# Altium PCB CH565W-R0.PcbDoc (part 3 of 5)
Units mil, origin at the board's own origin, x right, y up, seen from the top; angles counter-clockwise.
Board outline 3947.04 x 3947.04 mil, 4 copper layers (Top Layer, Layer 1, Layer 2, Bottom Layer), stack 23.756 mil thick; 204 components, 168 nets, 932 pads, 1005 vias.
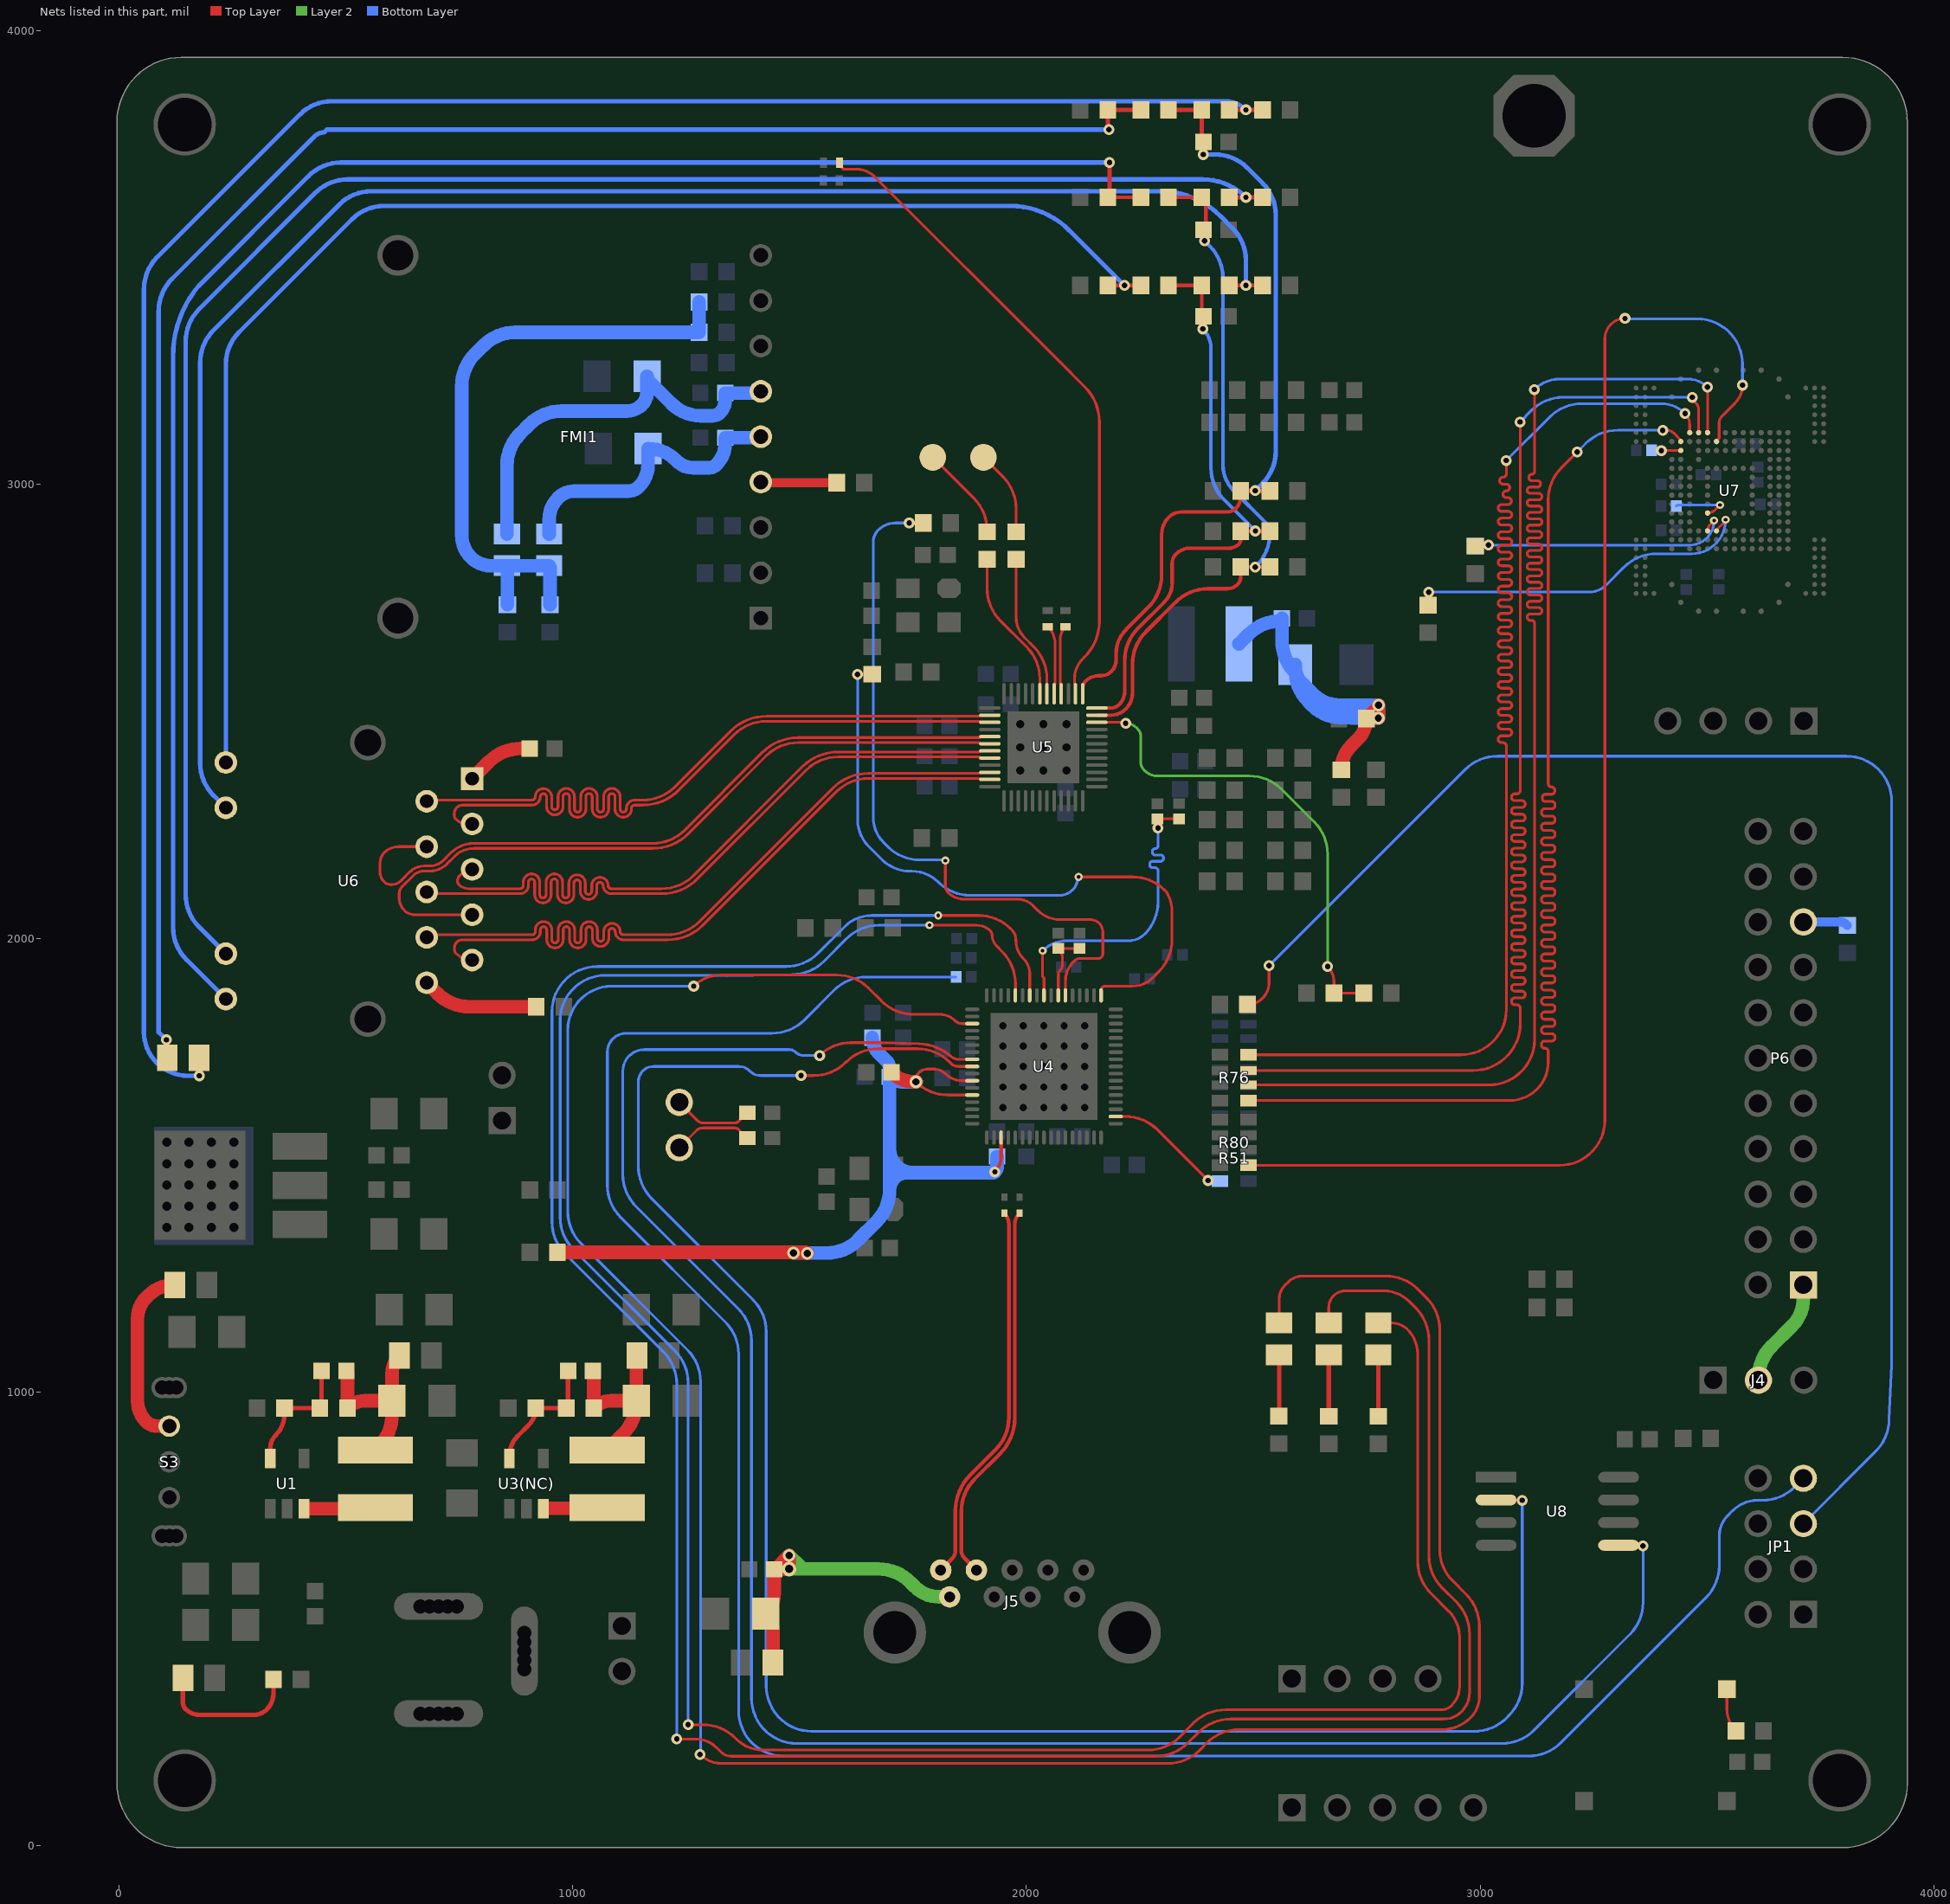
[diagram p5: the nets of this part, all layers, seen from the top]

## Via types
v1: diameter 17.72, hole 7.87, Top Layer to Bottom Layer, 556 vias
v2: diameter 24, hole 12, Top Layer to Bottom Layer, 366 vias
v3: diameter 28, hole 16, Top Layer to Bottom Layer, 63 vias
v4: diameter 17.72, hole 7.87, Top Layer to Bottom Layer, tented both sides, 8 vias
v5: diameter 24, hole 12, Top Layer to Bottom Layer, tented both sides, 5 vias
v6: diameter 26, hole 14, Top Layer to Bottom Layer, 2 vias
v7: diameter 19.68, hole 10, Top Layer to Bottom Layer, 1 vias
v8: diameter 20, hole 10, Top Layer to Bottom Layer, 1 vias
v9: diameter 28, hole 16, Top Layer to Bottom Layer, tented both sides, 1 vias
v10: diameter 32, hole 18, Top Layer to Bottom Layer, 1 vias
v11: diameter 17.72, hole 12, Top Layer to Bottom Layer, 1 vias

## Nets (pads, with @x,y where several pads share a name; then routed paths per layer and width w, separated by ;. In a path a pad name is that pad's centre, name@x,y a point inside that pad or via, vN(x,y) a via of type N, cw(c..) or ccw(c..) an arc to the next point about the centre after c; other vN are vias at no path point) (continued)
HSI_p: C30.1 U5.38 | length 1446.3
  Top Layer w6.07: C30.1@1587.84,3709.36 1590.71,3706.49 cw(c1585.97,3701.74) 1592.68,3701.74 1592.68,3701.48 ccw(c1598.75,3701.48) 1594.45,3697.19 ccw(c1598.75,3701.48) 1598.75,3695.41 1625.45,3695.41 cw(c1625.45,3639.8) 1664.77,3679.12 2071.93,3271.96 2128.33,3215.56 cw(c2049.98,3137.2) 2160.79,3137.2 2160.79,2698.77 cw(c2049.79,2698.77) 2128.28,2620.28 2124.36,2616.35 ccw(c2169.24,2571.47) 2105.76,2571.47 2105.76,2563.07 ccw(c2109.76,2563.07) 2106.93,2560.25 cw(c2104.11,2557.42) 2108.1,2557.42 U5.38@2108.1,2538.9
HSO_CK_n: R15.2 U5.43 | length 335.7
  Top Layer w6: R15.2@1913.28,2835.12 1913.28,2770.68 ccw(c2013.28,2770.68) 1942.57,2699.97 2000.07,2642.47 cw(c1929.36,2571.76) 2029.36,2571.76 U5.43@2029.36,2538.9
HSO_CK_p: R16.2 U5.42 | length 317.3
  Top Layer w6: R16.2@1977.14,2835.12 1977.14,2708.23 ccw(c2042.31,2708.23) 1996.19,2662.19 ; 1996.23,2662.15 2015.82,2642.56 cw(c1945.11,2571.85) 2045.11,2571.85 U5.42@2045.11,2538.9
HSO_n: C29.1 U5.41 | length 152.7
  Top Layer w6.07: C29.1@2047.23,2686.71 cw(c2008.67,2648.15) 2063.2,2648.15 2063.2,2563.07 cw(c2059.2,2563.07) 2062.03,2560.25 ccw(c2064.85,2557.42) 2060.86,2557.42 U5.41@2060.86,2538.9
HSO_p: C28.1 U5.40 | length 151.6
  Top Layer w6.07: U5.40@2076.61,2538.9 2076.61,2557.42 ccw(c2072.61,2557.42) 2075.44,2560.25 cw(c2078.26,2563.07) 2074.27,2563.07 2074.27,2657.81 cw(c2115.13,2657.81) C28.1@2086.23,2686.71
INTB: R35.1 R36.1 U5.34 | length 1060.9
  Top Layer w6: U5.34@2155.35,2475.91 2186.16,2475.91 ; 2187.54,2476.07 cw(c2186.16,2481.91) 2186.16,2475.91 ; v2(2218.68,2473.8) ccw(c2213.58,2468.7) 2213.58,2475.91 2186.16,2475.91 ; v2(2663.89,1937.58) cw(c2630.17,1903.86) 2677.86,1903.86 R36.1@2677.86,1879.13 R35.1@2743.57,1879.13
  Layer 2 w6: v2(2218.68,2473.8) cw(c2218.68,2440.07) 2242.53,2463.92 2245.76,2460.69 cw(c2231.12,2446.05) 2251.83,2446.05 2251.83,2389.59 ccw(c2279.93,2389.59) 2260.06,2369.72 ccw(c2289.34,2399) 2289.34,2357.59 2491.62,2357.59 cw(c2491.62,2257.59) 2562.33,2328.3 2634.6,2256.03 cw(c2563.89,2185.32) 2663.89,2185.32 v2(2663.89,1937.58)
LED0: D3.2 U4.54 | length 5823.5
  Top Layer w6: v2(1280.4,200.58) ccw(c1328.73,248.91) 1328.73,180.57 2311.21,180.57 ccw(c2311.21,280.57) 2381.92,209.85 2397.98,225.91 cw(c2468.69,155.2) 2468.69,255.2 2915.13,255.2 ccw(c2915.13,346.3) 2979.55,281.88 ccw(c2934.16,327.27) 2998.35,327.27 2998.35,482.96 ccw(c2898.35,482.96) 2969.06,553.67 2939.05,583.68 cw(c3006.69,651.31) 2911.04,651.31 2911.04,1136.81 ccw(c2811.76,1136.81) 2881.96,1207.01 2863.15,1225.82 ccw(c2792.43,1155.11) 2792.43,1255.11 2608.29,1255.11
  Top Layer w6.07: v2(1266.41,1894.11) cw(c1325.85,1834.66) 1325.85,1918.73 1347.45,1918.73 ; 1340.02,1918.46 cw(c1347.45,1818.73) 1347.45,1918.73 ; U4.54@1880.41,1811.61 1856.9,1811.61 cw(c1856.9,1829.57) 1844.2,1816.87 ccw(c1807.52,1780.18) 1807.52,1832.07 1751.28,1832.07 cw(c1751.28,1932.07) 1680.57,1861.35 1652.48,1889.44 ccw(c1581.77,1818.73) 1581.77,1918.73 1347.45,1918.73 ; D3.2@2557.01,1151.68 2557.01,1204.73 cw(c2598.61,1204.73) 2569.2,1234.14 2577.36,1242.3 cw(c2608.29,1211.37) 2608.29,1255.11
  Bottom Layer w6.07: v2(1266.41,1894.11) 1085.7,1894.11 ccw(c1085.7,1797.2) 988.79,1797.2 988.79,1397.57 ccw(c1088.79,1397.57) 1018.08,1326.86 1252.11,1092.83 cw(c1181.4,1022.12) 1281.4,1022.12 v2@1281.4,200.58
LED0/PHYAD0: C53.1 R28.2 R29.1 R58.2 R59.2 U5.35 | length 1544.5
  Top Layer w8: U5.35@2155.35,2491.66 2186.15,2491.66 ccw(c2186.15,2537.98) 2218.9,2505.23 ccw(c2183.24,2540.89) 2233.68,2540.89 2233.68,2604.28 cw(c2333.68,2604.28) 2262.97,2674.99 2328.95,2740.98 cw(c2399.66,2670.27) 2399.66,2770.27 2441.86,2770.27 ccw(c2441.86,2803.97) 2465.69,2780.14 ccw(c2450.2,2795.63) 2472.1,2795.63 R28.2@2472.1,2818.39 v2(2504.35,2818.39) R29.1@2536.59,2818.39 ; R58.2@2313.17,3633.33 R59.2@2386.48,3633.33 cw(c2364.97,3611.82) 2395.39,3611.82 C53.1@2395.39,3562.09 ; C53.1@2390.39,3562.09 2390.39,3542.61 ccw(c2398,3542.61) v2(2392.62,3537.23)
  Bottom Layer w8: v2(2392.62,3537.23) 2403.86,3525.99 cw(c2333.15,3455.28) 2433.15,3455.28 2433.15,3043.33 ccw(c2512.97,3043.33) 2456.53,2986.89 2526.81,2916.6 cw(c2503.17,2892.97) 2536.6,2892.97 2536.6,2892.07 cw(c2436.6,2892.07) 2507.31,2821.36 v2(2504.35,2818.39)
LED1: D4.2 U4.45 | length 5942.9
  Top Layer w6: v2(1229.1,234.45) 1270.53,234.45 cw(c1270.53,168.24) 1317.35,215.06 1326.5,205.9 ccw(c1349.22,228.62) 1349.22,196.49 ; v1(1805.62,2050.05) 1894.54,2050.05 cw(c1894.54,1950.05) 1965.25,2020.76 1966.93,2019.08 cw(c1943.64,1995.78) 1976.58,1995.78 ccw(c2035.26,1995.78) 1986.42,1963.26 ccw(c2035.26,1995.78) 1993.77,1954.29 cw(c1961.59,1922.11) 2007.1,1922.11 U4.45@2007.1,1873.9 ; D4.2@2666.38,1151.68 2666.38,1185.84 cw(c2702.74,1185.84) 2677.03,1211.54 cw(c2703.47,1185.11) 2703.47,1222.49 2722.55,1222.49
  Top Layer w6.07: 1349.22,196.49 2285.24,196.49 ccw(c2285.24,296.49) 2355.95,225.78 2379.26,249.09 cw(c2449.97,178.38) 2449.97,278.38 2919.97,278.38 ccw(c2919.97,333.47) 2958.92,294.52 ccw(c2915.95,337.49) 2976.73,337.49 2976.73,466.1 ccw(c2876.73,466.1) 2947.44,536.81 2916.43,567.82 cw(c2987.14,638.53) 2887.14,638.53 2887.14,1114.26 ccw(c2787.14,1114.26) 2857.85,1184.97 2843.63,1199.19 ccw(c2787.36,1142.92) 2787.36,1222.49 2722.55,1222.49
  Bottom Layer w6: v2(1229.1,234.45) 1229.1,1016.88 ccw(c1129.1,1016.88) 1199.81,1087.59 983.16,1304.24 cw(c1053.87,1374.95) 953.87,1374.95 953.87,1837.59 cw(c1053.87,1837.59) 1053.73,1937.59 cw(c1053.87,1837.59) 1053.87,1937.59 1470.08,1937.59 ccw(c1470.08,2037.59) 1540.79,1966.88 1599.42,2025.5 cw(c1658.68,1966.23) 1658.68,2050.05 v1(1805.62,2050.05)
LED1/CFG_LDO0: C58.1 R37.2 R38.1 R71.2 R72.2 U5.36 | length 1320.4
  Top Layer w8: U5.36@2155.35,2507.41 2185.36,2507.41 ccw(c2185.36,2534.62) 2204.61,2515.38 ccw(c2175.97,2544.02) 2216.47,2544.02 2216.47,2612.35 cw(c2316.47,2612.35) 2245.76,2683.06 2304.03,2741.33 ccw(c2262.41,2782.95) 2321.27,2782.95 2321.27,2826.36 cw(c2350.68,2826.36) 2329.88,2847.16 cw(c2360.56,2816.49) 2360.56,2859.87 2446.75,2859.87 ccw(c2446.75,2890.29) 2468.26,2868.78 ccw(c2458.98,2878.06) 2472.1,2878.06 R37.2@2472.1,2897.13 R38.1@2536.59,2897.13 ; R71.2@2313.17,3439.1 R72.2@2386.48,3439.1 2386.48,3380.36 ccw(c2399.84,3380.36) C58.1@2390.39,3370.91 ccw(c2394.06,3367.25) 2388.87,3367.25 v2(2388.87,3343.33)
  Bottom Layer w8: v2(2388.87,3343.33) cw(c2345.72,3300.18) 2406.75,3300.18 2406.75,3037.06 ccw(c2506.75,3037.06) 2436.04,2966.35 v2(2504.64,2897.75)
LED2: D5.2 U4.47 | length 5531.7
  Top Layer w6: v2(1254.15,266) 1287.31,266 cw(c1287.31,166) 1358.02,236.71 1360.58,234.15 ccw(c1418.62,292.2) 1418.62,210.11 2268.45,210.11 ccw(c2268.45,307.09) 2337.03,238.52 2368.08,269.57 cw(c2438.79,198.86) 2438.79,298.86 2914.27,298.86 ccw(c2914.27,331.39) 2937.27,308.38 ccw(c2895.1,350.55) 2954.74,350.55 2954.74,458.9 ccw(c2873.41,458.9) 2930.92,516.4 2891.67,555.65 cw(c2962.38,626.36) 2862.38,626.36 2862.38,1082.73 ccw(c2784.65,1082.73) 2839.61,1137.7 ccw(c2805.86,1103.95) 2805.86,1151.68 D5.2@2775.75,1151.68 ; v1(1786.1,2028.55) 1890.11,2028.55 cw(c1890.11,1985.28) 1920.71,2015.87 cw(c1912.39,2007.55) 1924.15,2007.55 ccw(c1959.87,2007.55) 1934.61,1982.3 1946.31,1970.6 cw(c1875.6,1899.89) 1975.6,1899.89 U4.47@1975.6,1873.9
  Bottom Layer w6: v2(1254.15,266) 1254.15,1019.48 ccw(c1154.15,1019.48) 1224.86,1090.19 1001.28,1313.77 cw(c1071.99,1384.48) 971.99,1384.48 971.99,1818.23 cw(c1071.99,1818.23) 972.05,1821.42 cw(c1071.99,1818.23) 1071.99,1918.23 1398.39,1918.23 1483.26,1920.24 cw(c1483.42,1914.24) 1483.42,1920.24 ccw(c1483.42,2020.24) 1554.13,1949.53 1604,1999.39 cw(c1674.38,1929) 1674.38,2028.55 v1(1786.1,2028.55)
LED2/CFG_LDO1: C54.1 R39.2 R40.1 R67.2 R68.2 U5.37 | length 1758.8
  Top Layer w8: U5.37@2123.85,2538.9 2123.85,2551.15 cw(c2145.58,2551.15) 2130.21,2566.51 2130.33,2566.63 cw(c2159.06,2537.9) 2159.06,2578.53 2164.09,2578.53 ccw(c2164.09,2611.36) 2187.31,2588.15 ccw(c2162.64,2612.81) 2197.53,2612.81 2197.53,2627.01 cw(c2273.45,2627.01) 2219.76,2680.7 2268.71,2729.65 ccw(c2198,2800.36) 2298,2800.36 2298,2889.84 cw(c2352.17,2889.84) 2313.87,2928.15 cw(c2341.34,2900.68) 2341.34,2939.53 2442.41,2939.53 ccw(c2442.41,2966.39) 2461.41,2947.39 ccw(c2435.58,2973.22) 2472.1,2973.22 R39.2@2472.1,2985.87
  Top Layer w10: R67.2@2313.17,3826.22 R68.2@2386.48,3826.22 2386.48,3776.61 ccw(c2416.91,3776.61) C54.1@2395.39,3755.1 ; v2(2389.9,3727.84) ccw(c2388.72,3729.02) 2390.39,3729.02 C54.1@2390.39,3755.1 ; R39.2@2472.1,2985.87 R40.1@2536.59,2985.87
  Bottom Layer w10: v2(2389.9,3727.84) 2415.82,3727.84 cw(c2415.82,3627.84) 2486.53,3698.55 2520.34,3664.74 cw(c2449.63,3594.03) 2549.63,3594.03 2549.63,3073.45 cw(c2449.63,3073.45) 2520.34,3002.74 v2(2504.19,2986.59) ccw(c2514.19,2986.59) v2@2504.19,2986.51
LED_blue_n: D2.2 R68.1 R69.1 | length 4549.1
  Top Layer w10: D2.2@175.98,1736.01 175.98,1697.89 ccw(c177.69,1697.89) v2(176.48,1696.68) ; R68.1@2447.11,3826.22 v2(2483.77,3826.22) R69.1@2520.42,3826.22
  Bottom Layer w10: v2(176.48,1696.68) 151.66,1696.68 cw(c151.66,1794.39) 82.57,1725.3 cw(c150.27,1793) 54.53,1793 54.53,3300.97 54.53,3430.89 cw(c154.53,3430.89) 55.44,3444.37 cw(c154.53,3430.89) 83.82,3501.61 398.2,3815.99 cw(c468.92,3745.28) 468.92,3845.28 2437.74,3845.28 cw(c2437.74,3780.19) v2(2483.77,3826.22)
LED_blue_p: D2.1 R66.2 R67.1 | length 4051.4
  Top Layer w10: v2(103.69,1775.98) cw(c103.69,1773.77) 105.9,1773.77 D2.1@105.9,1736.01 ; v2(2181.54,3782.57) cw(c2187.14,3788.17) 2179.23,3788.17 R66.2@2179.23,3826.22 R67.1@2252.54,3826.22
  Bottom Layer w10: v2(103.69,1775.98) 87,1792.65 87,3242.91 87,3382.79 cw(c187,3382.79) 87.44,3392.17 cw(c187,3382.79) 116.29,3453.5 430.48,3767.69 cw(c451.38,3746.8) 451.38,3776.35 457.6,3782.57 v2(2181.54,3782.57)
LED_green_n: R72.1 R73.1 U6.12 | length 3681.8
  Top Layer w8: R72.1@2447.11,3439.1 v2(2483.77,3439.1) R73.1@2520.42,3439.1
  Bottom Layer w10: U6.12@234.95,2287.54 207.86,2314.63 cw(c278.57,2385.34) 178.57,2385.34 178.57,3269.55 cw(c278.57,3269.55) 180.33,3288.23 cw(c278.57,3269.55) 207.86,3340.26 485.02,3617.42 cw(c555.73,3546.71) 555.73,3646.71 2295.99,3646.71 cw(c2295.99,3461.18) 2427.18,3592.37 2454.48,3565.07 cw(c2383.77,3494.36) 2483.77,3494.36 v2(2483.77,3439.1)
LED_green_p: R70.2 R71.1 U6.11 | length 3157
  Top Layer w8: R70.2@2179.23,3439.1 v2(2215.88,3439.1) R71.1@2252.54,3439.1
  Bottom Layer w10: U6.11@234.95,2387.54 234.95,3265.49 cw(c334.95,3265.49) 264.24,3336.2 513.1,3585.06 cw(c583.81,3514.35) 583.81,3614.35 1964.21,3614.35 cw(c1964.21,3429.85) 2094.67,3560.31 v2(2215.88,3439.1)
LED_yellow_n: R59.1 R61.1 U6.13 | length 3966.9
  Top Layer w10: R59.1@2447.11,3633.33 v2(2483.77,3633.33) R61.1@2520.42,3633.33
  Bottom Layer w10: U6.13@234.95,1965.89 175.89,2024.94 cw(c246.6,2095.65) 146.6,2095.65 146.6,3315.92 cw(c246.6,3315.92) 175.89,3386.63 432.82,3643.57 cw(c503.53,3572.85) 442.14,3651.79 cw(c503.53,3572.85) 457.66,3661.71 cw(c503.53,3572.85) 503.53,3672.85 2388.35,3672.85 cw(c2388.35,3537.92) v2(2483.77,3633.33)
LED_yellow_p: R57.2 R58.1 U6.14 | length 3897.1
  Top Layer w8: R57.2@2179.23,3633.33 R58.1@2252.54,3633.33
  Top Layer w10: R57.2@2179.23,3633.33 ccw(c2174.48,3638.08) 2181.2,3638.08 2183.11,3640 v2(2183.11,3709.99)
  Bottom Layer w10: U6.14@234.95,1865.88 147.83,1953.01 cw(c218.54,2023.72) 118.54,2023.72 118.54,3282.88 cw(c360.1,3282.84) 173.97,3436.81 417.86,3680.7 cw(c488.57,3609.99) 488.57,3709.99 v2(2183.11,3709.99)
MAC_125M: R62.2 U4.40 | length 1595
  Top Layer w6: v2(1741.47,2915.5) 1741.53,2915.44 R62.2@1772.45,2915.44 ; v1(1821.29,2171.08) 1821.29,2114.81 ccw(c1841.25,2114.81) 1827.13,2100.69 ccw(c1862.6,2136.16) 1862.6,2086 1979.94,2086 cw(c1979.94,2037.54) 2014.21,2071.81 2024.38,2061.64 ccw(c2074.66,2111.92) 2042.88,2048.31 ccw(c2074.66,2111.92) 2074.66,2040.82 2140.85,2040.82 cw(c2140.85,2013.19) 2168.47,2013.19 2168.47,1966.22 cw(c2157.43,1966.22) 2157.43,1955.18 2118.97,1955.18 ccw(c2118.97,1934.69) 2104.48,1949.18 ccw(c2149.48,1904.17) 2091.15,1929.62 ccw(c2149.48,1904.17) 2085.84,1904.17 U4.40@2085.84,1873.9
  Bottom Layer w6: v2(1741.47,2915.5) 1711.59,2915.5 ccw(c1711.59,2860.6) 1672.77,2899.42 ccw(c1698.64,2873.55) 1662.05,2873.55 1662.05,2267.4 ccw(c1742.76,2267.4) 1685.69,2210.32 1694.28,2201.73 ccw(c1764.99,2272.44) 1764.99,2172.44 v1@1821.29,2172.44
MAC_EMCO: R60.2 U4.35 | length 1479.9
  Top Layer w6: v2(1627.69,2581.47) cw(c1629.99,2579.17) 1629.99,2582.42 R60.2@1659.93,2582.42 ; v1(2115,2135) 2234.16,2135 2234.26,2135.1 cw(c2234.26,2035.1) 2304.97,2105.81 2309.07,2101.71 cw(c2234.2,2058.14) 2320.82,2058.14 2320.82,1996.81 cw(c2220.82,1996.81) 2291.53,1926.1 2277.83,1912.39 cw(c2234.11,1956.1) 2234.11,1894.28 2173.47,1894.28 ccw(c2173.47,1885.39) 2164.58,1885.39 U4.35@2164.58,1873.9
  Bottom Layer w6: v2(1627.69,2581.47) 1627.69,2261.65 ccw(c1711.68,2261.65) 1652.29,2202.27 1681.45,2173.11 ccw(c1742.73,2234.39) 1742.73,2147.72 1747.55,2147.72 cw(c1747.55,2065.38) 1805.77,2123.61 ccw(c1876.18,2194.01) 1876.18,2094.44 2072.89,2094.44 ccw(c2072.89,2135.4) 2101.85,2106.44 ccw(c2074.94,2133.35) 2113,2133.35 2114.65,2135 v1(2115,2135)
MCU_3V3: C34.1 C35.2 C37.2 C46.2 R85.2 U4.3 U4.62 U4.64 | length 2087.9
  Top Layer w6.07: U4.64@1880.41,1654.13 1826.85,1654.13 cw(c1826.85,1753.51) v3(1756.58,1683.24) 1756.58,1688.57 cw(c1777.53,1688.57) 1762.71,1703.38 cw(c1782.17,1683.92) 1782.17,1711.44 1796.82,1711.44 cw(c1796.82,1677.35) 1800.23,1711.27 cw(c1796.82,1677.35) 1820.92,1701.46 ccw(c1859.15,1739.69) 1859.15,1685.63 U4.62@1880.41,1685.63
  Top Layer w8: v5(1930.24,1484.81) ccw(c1896.78,1518.27) 1944.11,1518.27 U4.3@1944.11,1560.34
  Top Layer w30: R85.2@965.93,1307.5 v3@1482.53,1307.5 ; v3(1486.31,1305.93) ccw(c1482.53,1302.15) v3@1482.53,1307.5 ; v3(1517,1305.31) ccw(c1511.72,1300.04) 1511.72,1307.5 v3@1482.53,1307.5 ; C37.2@1702.17,1704.14 ccw(c1752.63,1754.6) 1752.63,1683.24 v3(1756.58,1683.24)
  Bottom Layer w30: v3(1486.31,1305.93) 1559.86,1305.93 ccw(c1559.86,1403.24) 1628.67,1334.43 1669.06,1374.83 ccw(c1598.35,1445.54) 1698.35,1445.54 ; C35.2@1660.22,1780.43 ccw(c1708.7,1780.43) 1674.42,1746.15 1691.76,1728.8 cw(c1675.87,1712.9) 1698.35,1712.9 C34.1@1698.35,1694.32 ; 1698.35,1545.55 1698.35,1534.22 ; v3(1756.58,1683.24) 1725.09,1683.24 cw(c1725.09,1721.06) C34.1@1698.35,1694.32 ; C46.2@1935.23,1518.66 1935.23,1496.85 cw(c1918.2,1496.85) v5(1930.24,1484.81) cw(c1925.78,1489.28) 1925.78,1482.96 1749.61,1482.96 ; 1698.35,1445.54 cw(c1735.77,1445.54) 1735.77,1482.96 ; 1698.35,1445.54 1698.35,1482.96 ; 1698.35,1482.96 1698.35,1534.22 ; 1698.35,1482.96 1735.77,1482.96 ; 1698.35,1534.22 ccw(c1749.61,1534.22) 1749.61,1482.96 ; 1698.35,1534.22 C34.1@1698.35,1694.32 ; 1735.77,1482.96 1749.61,1482.96
MDI0_n: U5.3 U6.3 | length 1621.3
  Top Layer w6.07: U6.3@777.86,2251.78 767.69,2251.78 cw(c767.69,2287.75) 742.26,2262.32 cw(c751.53,2271.58) 738.43,2271.58 738.43,2274.19 cw(c758.08,2274.19) 744.18,2288.08 744.46,2288.36 cw(c756.66,2276.17) 756.66,2293.41 881.43,2293.41 909.98,2293.41 ccw(c909.98,2311.52) 928.08,2311.52 cw(c935.12,2311.52) 942.15,2311.52 942.15,2290.06 ccw(c960.25,2290.06) 978.36,2290.06 978.36,2311.98 cw(c985.39,2311.98) 992.43,2311.98 992.43,2284.79 ccw(c1010.53,2284.79) 1028.63,2284.79 1028.63,2311.98 cw(c1035.66,2311.98) 1042.7,2311.98 1042.7,2284.79 ccw(c1060.8,2284.79) 1078.9,2284.79 1078.9,2311.98 cw(c1085.94,2311.98) 1092.97,2311.98 1092.97,2284.79 ccw(c1111.08,2284.79) 1129.18,2284.79 1129.18,2286.38 cw(c1136.21,2286.38) 1136.21,2293.41 1144.78,2293.41 1154.38,2293.41 ccw(c1154.38,2404.3) 1232.79,2325.89 1355.86,2448.96 cw(c1426.57,2378.25) 1426.57,2478.25 1894.96,2478.25 cw(c1894.96,2474.26) 1897.78,2477.08 ccw(c1900.61,2479.91) 1900.61,2475.91 U5.3@1919.13,2475.91
MDI0_p: U5.2 U6.2 | length 1620.2
  Top Layer w6.07: U6.2@677.86,2301.78 cw(c684.38,2295.26) 684.38,2304.48 881.43,2304.48 909.98,2304.48 ccw(c909.98,2311.52) 917.01,2311.52 cw(c935.12,2311.52) 953.22,2311.52 953.22,2290.06 ccw(c960.25,2290.06) 967.29,2290.06 967.29,2311.98 cw(c985.39,2311.98) 1003.49,2311.98 1003.49,2284.79 ccw(c1010.53,2284.79) 1017.56,2284.79 1017.56,2311.98 cw(c1035.66,2311.98) 1053.77,2311.98 1053.77,2284.79 ccw(c1060.8,2284.79) 1067.84,2284.79 1067.84,2311.98 cw(c1085.94,2311.98) 1104.04,2311.98 1104.04,2284.79 ccw(c1111.08,2284.79) 1118.11,2284.79 1118.11,2286.38 cw(c1136.21,2286.38) 1136.21,2304.48 1144.78,2304.48 1154.31,2304.48 ccw(c1154.31,2404.48) 1225.02,2333.77 1296.38,2405.14 1348.06,2456.82 cw(c1426.52,2378.36) 1426.52,2489.32 1894.96,2489.32 ccw(c1894.96,2493.31) 1897.78,2490.49 cw(c1900.61,2487.66) 1900.61,2491.66 U5.2@1919.13,2491.66
MDI1_n: U5.6 U6.7 | length 1621.4
  Top Layer w6.07: U6.7@777.86,2051.78 651.16,2051.78 cw(c651.16,2084.04) 628.34,2061.23 cw(c654.82,2087.71) 617.38,2087.71 617.38,2099.56 cw(c636.41,2099.56) 622.95,2113.02 648.16,2138.22 cw(c671.81,2114.56) 671.81,2148.02 684.6,2148.02 ccw(c684.6,2201.55) 722.45,2163.7 739.03,2180.27 cw(c781.56,2137.74) 781.56,2197.89 1175.92,2197.89 ccw(c1175.92,2308.85) 1254.39,2230.39 1425.71,2401.72 cw(c1496.42,2331.01) 1496.42,2431.01 1894.96,2431.01 cw(c1894.96,2427.01) 1897.78,2429.84 ccw(c1900.61,2432.66) 1900.61,2428.67 U5.6@1919.13,2428.67
MDI1_p: U5.5 U6.4 | length 1620.9
  Top Layer w6.07: U6.4@677.86,2201.78 616.15,2201.78 ccw(c616.15,2156.64) 584.23,2188.56 ccw(c606.41,2166.38) 575.04,2166.38 575.04,2145.12 ccw(c603.81,2145.12) 583.46,2124.77 ccw(c599.89,2141.2) 599.89,2117.97 ccw(c599.89,2147.8) 620.98,2126.7 640.33,2146.05 cw(c671.81,2114.56) 671.81,2159.09 684.52,2159.09 ccw(c684.52,2201.76) 714.69,2171.58 731.23,2188.13 cw(c781.52,2137.84) 781.52,2208.96 1175.88,2208.96 ccw(c1175.88,2308.96) 1246.59,2238.25 1417.92,2409.57 cw(c1496.38,2331.11) 1496.38,2442.07 1894.96,2442.07 ccw(c1894.96,2446.07) 1897.78,2443.24 cw(c1900.61,2440.42) 1900.61,2444.41 U5.5@1919.13,2444.41
MDI2_n: U5.8 U6.6 | length 1620.6
  Top Layer w6.07: U6.6@677.86,2101.78 ccw(c686.89,2110.81) 686.89,2098.04 875.16,2098.04 883.73,2098.04 ccw(c883.73,2116.15) 901.83,2116.15 901.83,2123.52 cw(c908.86,2123.52) 915.9,2123.52 915.9,2095.76 ccw(c934,2095.76) 952.1,2095.76 952.1,2123.52 cw(c959.14,2123.52) 966.17,2123.52 966.17,2095.76 ccw(c984.28,2095.76) 1002.38,2095.76 1002.38,2121.59 cw(c1009.41,2121.59) 1016.45,2121.59 1016.45,2103.58 ccw(c1034.55,2103.58) 1052.65,2103.58 1052.65,2116.15 cw(c1059.69,2116.15) 1066.72,2116.15 ccw(c1084.82,2116.15) 1084.82,2098.04 1179.3,2098.04 1196.21,2098.04 ccw(c1196.21,2207.58) 1273.66,2130.13 1513.76,2370.22 cw(c1584.47,2299.51) 1584.47,2399.51 1894.96,2399.51 cw(c1894.96,2395.52) 1897.78,2398.34 ccw(c1900.61,2401.16) 1900.61,2397.17 U5.8@1919.13,2397.17
MDI2_p: U5.7 U6.5 | length 1620.1
  Top Layer w6.07: 749.65,2136.89 ccw(c759.18,2127.38) 745.72,2127.38 745.72,2125.35 ccw(c755.81,2125.35) 748.67,2118.22 ccw(c770.65,2140.19) 770.65,2109.11 875.16,2109.11 883.73,2109.11 ccw(c883.73,2116.15) 890.76,2116.15 890.76,2123.52 cw(c908.86,2123.52) 926.97,2123.52 926.97,2095.76 ccw(c934,2095.76) 941.04,2095.76 941.04,2123.52 cw(c959.14,2123.52) 977.24,2123.52 977.24,2095.76 ccw(c984.28,2095.76) 991.31,2095.76 991.31,2121.59 cw(c1009.41,2121.59) 1027.51,2121.59 1027.51,2103.58 ccw(c1034.55,2103.58) 1041.58,2103.58 1041.58,2116.15 cw(c1059.69,2116.15) 1077.79,2116.15 ccw(c1084.82,2116.15) 1084.82,2109.11 1179.3,2109.11 1196.03,2109.11 ccw(c1196.03,2208) 1265.96,2138.08 1505.96,2378.08 cw(c1584.42,2299.62) 1584.42,2410.58 1894.96,2410.58 ccw(c1894.96,2414.57) 1897.78,2411.75 cw(c1900.61,2408.92) 1900.61,2412.92 U5.7@1919.13,2412.92 ; 749.66,2136.89 755.14,2142.37 cw(c777.86,2119.64) U6.5@777.86,2151.78 ccw(c777.86,2132.27) U6.5@764.06,2146.07
MDI3_n: U5.11 U6.9 | length 1694.7
  Top Layer w6.07: U6.9@777.86,1951.78 cw(c777.86,2001.84) 742.47,1966.44 cw(c750.52,1974.5) 739.13,1974.5 739.13,1979.19 cw(c756.46,1979.19) 744.21,1991.45 cw(c756.18,1979.47) 756.18,1996.41 860.94,1996.41 861.01,1996.47 ; 891,1996.47 861.01,1996.47 ; 1155.46,1996.47 1111.37,1996.47 ; U5.11@1919.13,2349.93 1900.61,2349.93 cw(c1900.61,2353.92) 1897.78,2351.1 ccw(c1894.96,2348.27) 1894.96,2352.27 1651.77,2352.27 ccw(c1651.77,2252.27) 1581.05,2322.98 1286.96,2028.88 cw(c1208.72,2107.12) 1208.72,1996.47 1176.69,1996.47 1111.37,1996.47 ; 861.01,1996.47 901.71,1996.47 910.28,1996.47 ccw(c910.28,2014.58) 928.38,2014.58 928.38,2018.44 cw(c935.42,2018.44) 942.45,2018.44 942.45,1996.64 ccw(c960.55,1996.64) 978.66,1996.64 978.66,2018.44 cw(c985.69,2018.44) 992.72,2018.44 992.72,1996.64 ccw(c1010.83,1996.64) 1028.93,1996.64 1028.93,2018.44 cw(c1035.96,2018.44) 1043,2018.44 1043,2000.01 ccw(c1061.1,2000.01) 1079.2,2000.01 1079.2,2014.58 cw(c1086.24,2014.58) 1093.27,2014.58 ccw(c1111.37,2014.58) 1111.37,1996.47